# Allegro board PCIE_FIBER_BOARD-1116.brd (continued)
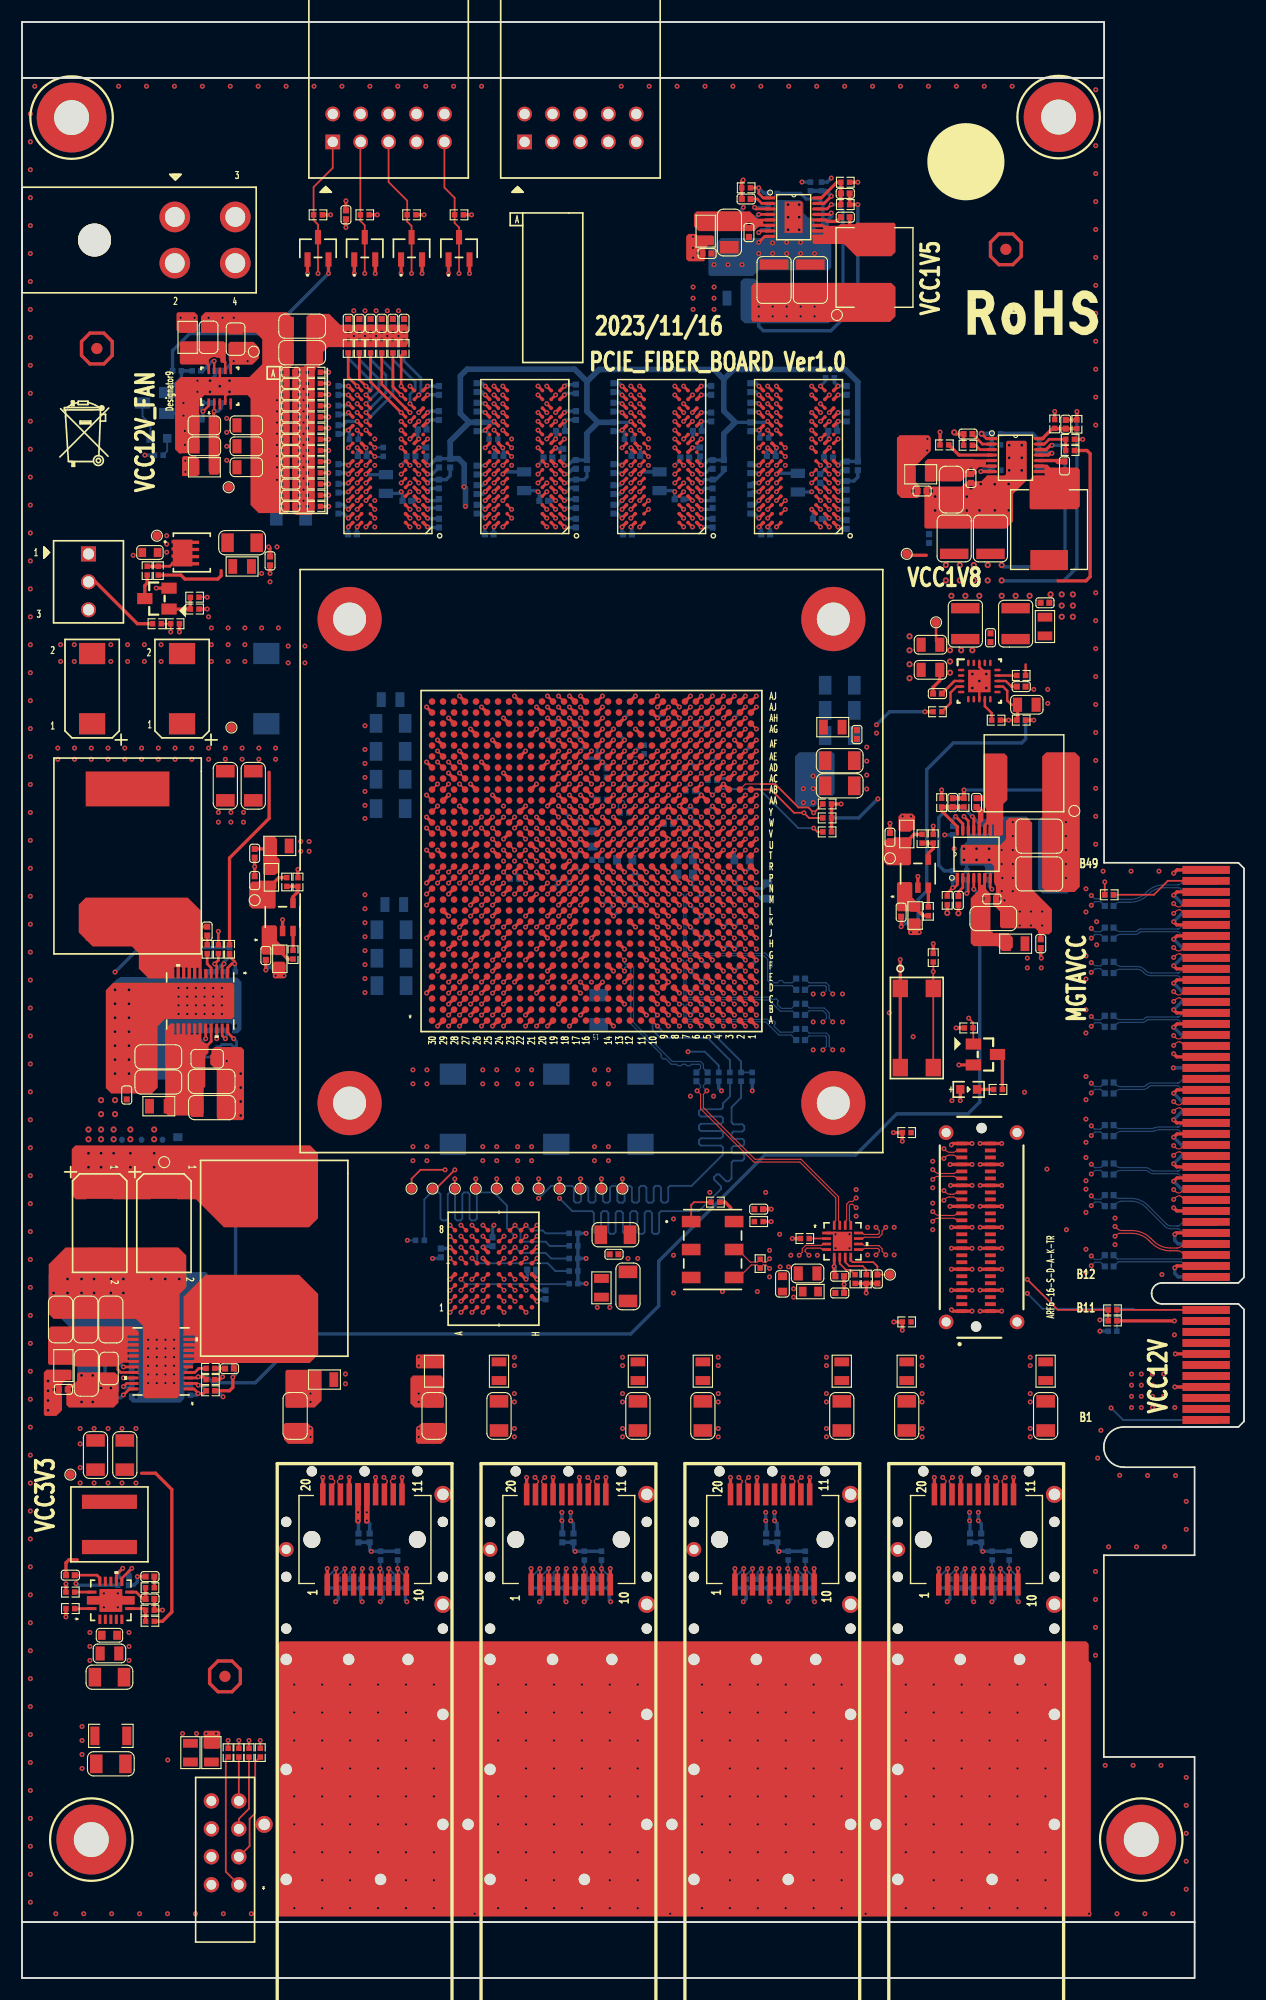
[diagram p0: board, top side]
## Routing (per net, layer and track width the routed paths; a pad name or vN(x,y) marks a point on that pad's centre or on a via; arc(x,y) is an arc through that point) (continued)
DDR3_A_DM5: length 36.3
  TOP w0.254: U247.AF18 v1(48.8,112.53) ; U77.D3 v1(35.29,135.1)
  ART03 w0.102: v1(35.29,135.1) 35.69,134.7 35.69,133.26 35.85,133.1 37.11,133.1 ; 51.68,117.03 51.68,113.85 50.97,113.13 49.4,113.13 v1(48.8,112.53)
  ART03 w0.183: 37.11,133.1 37.66,133.1 37.84,133.28 37.84,133.59 38.02,133.77 38.39,133.77 38.57,133.59 38.57,133.28 38.75,133.1 39.26,133.1 39.59,132.77 39.59,129.1 47.73,120.96 48.87,120.96 51.68,118.14 51.68,117.03
DDR3_A_DM6: length 47.8
  TOP w0.254: U247.AC19 v1(48.8,109.53) ; U78.E7 v1(43.73,135.1)
  ART10 w0.102: v1(48.8,109.53) 48.8,109.67 49.15,110.02 51.08,110.02 51.19,110.13 54.96,110.13 55.2,110.37 55.2,111.05 55.4,111.26 55.4,117.06
  ART10 w0.183: 55.4,117.06 55.4,122.82 55.05,123.18 54.79,123.18 54.62,123 54.36,123 54,123.36 54,123.61 54.18,123.79 54.18,124.05 53.92,124.31 53.66,124.31 53.28,123.93 53.02,123.93 52.76,124.18 52.76,124.44 53.14,124.82 53.14,125.08 52.88,125.34 52.63,125.34 52.25,124.96 51.99,124.96 51.73,125.22 51.73,125.48 52.11,125.86 52.11,126.12 51.85,126.38 51.59,126.38 51.21,126 50.95,126 50.69,126.25 50.69,126.51 51.07,126.89 51.07,127.15 50.81,127.41 50.56,127.41 50.18,127.03 49.92,127.03 49.66,127.29 49.66,127.55 50.04,127.93 50.04,128.19 49.78,128.44 49.52,128.44 49.14,128.06 48.88,128.06 48.62,128.32 48.62,128.58 49,128.96 49,129.22 48.74,129.48 48.49,129.48 48.11,129.1 47.85,129.1 45.85,131.09 45.85,131.6 45.64,131.81 45.19,131.81 44.98,132.02 44.98,132.33 45.16,132.52 45.52,132.52 45.7,132.7 45.7,133.06 45.52,133.25 45.16,133.25 44.98,133.43 44.98,133.91 43.78,135.1 v1(43.73,135.1)
DDR3_A_DM7: length 39.8
  TOP w0.254: U78.D3 v1(47.73,135.1) ; U247.Y15 v1(52.8,106.53)
  ART03 w0.102: v1(47.73,135.1) 47.73,134.5 48.34,133.9 49.74,133.9 ; v1(52.8,106.53) 53.37,107.1 56.98,107.1 57.23,107.35 57.23,107.61 57.61,107.99 57.87,107.99 58.37,108.5 58.37,117.03
  ART03 w0.183: 49.74,133.9 49.99,133.9 58.37,125.52 58.37,117.03
DDR3_A_DQS0_N: length 31.4
  TOP w0.188: U247.AJ7 v1(60.8,115.53) ; U75.G3 v1(59.38,136.7)
  ART10 w0.102: v1(60.8,115.53) 60.8,115.24 60.91,115.13 61.03,115.13 61.2,115.29 61.2,117.15 61.15,117.2
  ART10 w0.157: v1(59.38,136.7) 59.13,136.45 58.65,136.45 58.32,136.12 58.32,135.12 59.39,134.05 59.39,131.65 59.85,131.19 60.8,130.24 61.52,130.24 62.83,128.94 62.83,127.89 63.16,127.56 63.91,127.56 64.07,127.4 64.07,126.85 63.91,126.69 63.17,126.69 62.83,126.36 62.83,125.56 63.17,125.22 63.9,125.22 64.06,125.07 64.06,124.52 63.9,124.36 63.16,124.36 62.83,124.03 62.83,123.2 63.3,122.73 63.3,122.17 62.82,121.69 62.82,119.2 61.15,117.52 61.15,117.2
DDR3_A_DQS0_P: length 31.4
  TOP w0.188: U75.F3 v1(59.38,135.9) ; U247.AH7 v1(60.8,114.53)
  ART10 w0.102: v1(60.8,114.53) 60.8,114.83 60.9,114.93 61.12,114.93 61.4,115.21 61.4,117.15 61.45,117.2
  ART10 w0.157: v1(59.38,135.9) 59.13,136.15 58.77,136.15 58.62,135.99 58.62,135.24 59.68,134.17 59.68,131.78 60.09,131.37 60.34,131.37 60.61,131.09 60.61,130.85 60.92,130.54 61.65,130.54 63.13,129.06 63.13,128.01 63.29,127.86 64.03,127.86 64.37,127.52 64.37,126.73 64.03,126.4 63.29,126.4 63.13,126.24 63.13,125.68 63.29,125.52 64.03,125.52 64.36,125.19 64.36,124.39 64.03,124.06 63.28,124.06 63.13,123.9 63.13,123.33 63.6,122.85 63.6,122.05 63.12,121.57 63.12,119.07 61.45,117.4 61.45,117.2
DDR3_A_DQS1_N: length 28
  TOP w0.188: U75.B7 v1(56.98,133.5) ; U247.AH1 v1(66.8,113.53)
  ART03 w0.102: 64.45,117.03 64.45,117 64.4,116.96 64.4,114.36 64.63,114.13 66.13,114.13 66.4,113.86 66.4,113.63 66.5,113.53 v1(66.8,113.53)
  ART03 w0.157: 64.45,117.03 64.45,119.89 61.54,122.81 61.54,123.3 61.72,123.49 61.72,123.93 61.54,124.12 61.54,124.56 61.72,124.74 61.72,125.19 61.54,125.37 61.54,125.82 61.72,126 61.72,126.45 61.54,126.63 61.54,127.08 61.72,127.26 61.72,127.71 61.54,127.89 61.54,128.16 56.48,133.22 56.48,133.56 56.66,133.74 56.74,133.74 v1(56.98,133.5)
DDR3_A_DQS1_P: length 27.9
  TOP w0.188: U75.C7 v1(56.98,134.3) ; U247.AG2 v1(65.8,113.53)
  ART03 w0.102: 64.15,117.03 64.15,117 64.2,116.96 64.2,114.28 64.55,113.93 66.04,113.93 66.2,113.78 66.2,113.63 66.1,113.53 v1(65.8,113.53)
  ART03 w0.157: 64.15,117.03 64.15,119.77 61.24,122.68 61.24,128.04 56.18,133.1 56.18,133.69 56.53,134.04 56.86,134.04 56.98,134.16 v1(56.98,134.3)
DDR3_A_DQS2_N: length 45.9
  TOP w0.188: U247.AG3 v1(64.8,113.53) ; U76.G3 v1(71.83,136.7)
  ART10 w0.102: 67.3,111.18 67.27,111.18 67.23,111.13 64.63,111.13 64.4,111.36 64.4,113.36 64.58,113.53 v1(64.8,113.53)
  ART10 w0.157: 67.3,111.18 68.16,111.18 73.62,116.64 73.62,117.19 73.46,117.35 73.46,117.78 73.62,117.94 73.62,118.37 73.45,118.54 73.45,118.94 73.62,119.11 73.62,119.5 70.87,122.26 70.87,124.78 72.79,126.7 74.85,126.7 75.03,126.88 75.03,127.42 74.87,127.58 73.17,127.58 72.83,127.92 72.83,128.7 73.16,129.03 74.35,129.03 74.54,129.22 74.54,129.73 74.38,129.89 73.2,129.89 72.85,130.23 72.85,130.63 70.9,132.58 70.9,136.17 71.24,136.51 71.63,136.51 v1(71.83,136.7)
DDR3_A_DQS2_P: length 45.8
  TOP w0.188: U247.AG4 v1(63.8,113.53) ; U76.F3 v1(71.83,135.9)
  ART10 w0.102: v1(63.8,113.53) 64.2,113.13 64.2,111.28 64.55,110.93 67.23,110.93 67.27,110.88 67.3,110.88
  ART10 w0.157: 67.3,110.88 68.28,110.88 73.92,116.52 73.92,119.63 71.17,122.38 71.17,124.66 72.91,126.4 74.97,126.4 75.33,126.76 75.33,127.54 75,127.87 73.3,127.87 73.13,128.05 73.13,128.58 73.28,128.73 74.48,128.73 74.84,129.1 74.84,129.85 74.51,130.18 73.32,130.18 73.15,130.36 73.15,130.75 71.2,132.7 71.2,136.04 71.37,136.21 71.52,136.21 v1(71.83,135.9)
DDR3_A_DQS3_N: length 41.3
  TOP w0.188: U247.AD1 v1(66.8,110.53) ; U76.B7 v1(69.43,133.5)
  ART03 w0.102: v1(66.8,110.53) 66.48,110.53 66.37,110.63 66.37,110.78 66.53,110.93 67.23,110.93 67.27,110.88 67.3,110.88
  ART03 w0.157: 67.3,110.88 68.07,110.88 70.42,113.23 70.42,113.71 69.74,114.39 69.74,114.61 70.14,115.02 70.37,115.02 71.05,114.33 71.52,114.33 73.25,116.06 73.25,116.42 73.43,116.6 73.43,117.05 73.25,117.23 73.25,117.68 73.43,117.86 73.43,118.31 73.25,118.49 73.25,120.54 71.34,122.45 71.34,125.61 71.78,126.04 74.11,126.04 74.47,126.4 74.47,127.17 74.14,127.5 71.8,127.5 71.57,127.73 71.57,130.18 70.68,131.07 70.68,131.3 71.34,131.96 71.34,132.43 70.79,132.99 70.31,132.99 69.6,132.28 69.31,132.28 68.93,132.66 68.93,133.53 69.09,133.69 69.27,133.69 69.43,133.53 v1(69.43,133.5)
DDR3_A_DQS3_P: length 41.3
  TOP w0.188: U76.C7 v1(69.43,134.3) ; U247.AD2 v1(65.8,110.53)
  ART03 w0.102: 67.3,111.18 67.27,111.18 67.23,111.13 66.44,111.13 66.17,110.86 66.17,110.63 66.07,110.53 v1(65.8,110.53)
  ART03 w0.157: 67.3,111.18 67.95,111.18 70.13,113.36 70.13,113.59 69.44,114.27 69.44,114.74 70.02,115.32 70.49,115.32 71.18,114.63 71.4,114.63 72.95,116.18 72.95,120.42 71.04,122.33 71.04,125.73 71.65,126.34 73.99,126.34 74.17,126.52 74.17,127.05 74.02,127.2 71.68,127.2 71.27,127.61 71.27,130.06 70.38,130.95 70.38,131.42 71.04,132.08 71.04,132.31 70.66,132.69 70.43,132.69 69.72,131.98 69.19,131.98 68.63,132.54 68.63,133.66 68.96,133.99 69.11,133.99 v1(69.43,134.3)
DDR3_A_DQS4_N: length 40.7
  TOP w0.188: U77.G3 v1(34.49,136.7) ; U247.AJ16 v1(50.8,115.53)
  ART10 w0.102: 50.77,118.16 50.79,118.14 50.85,118.14 50.96,118.02 51.08,117.89 51.08,116.98 51.26,116.8 51.26,115.31 51.09,115.13 50.9,115.13 50.8,115.23 v1(50.8,115.53)
  ART10 w0.157: 50.77,118.16 50.66,118.28 44.19,124.75 38.94,124.75 38.57,125.11 38.57,126.28 38.42,126.44 37.9,126.44 37.74,126.28 37.74,125.3 37.39,124.94 36.63,124.94 36.28,125.29 36.28,126.28 36.12,126.44 35.46,126.44 34.7,127.2 34.7,131.46 34.38,131.78 34.09,131.78 33.73,132.13 33.73,132.89 34.11,133.27 34.39,133.27 34.55,133.43 34.55,133.98 34.39,134.14 33.53,134.14 33.2,134.47 33.2,135.99 33.66,136.45 34.24,136.45 v1(34.49,136.7)
DDR3_A_DQS4_P: length 40.7
  TOP w0.188: U247.AH16 v1(50.8,114.53) ; U77.F3 v1(34.49,135.9)
  ART10 w0.102: 50.99,118.36 51.01,118.34 51,118.27 51.11,118.16 51.29,117.98 51.29,117.06 51.47,116.89 51.47,115.22 51.17,114.93 50.9,114.93 50.8,114.83 v1(50.8,114.53)
  ART10 w0.157: v1(34.49,135.9) 34.24,136.15 33.78,136.15 33.49,135.87 33.49,134.59 33.65,134.43 34.52,134.43 34.85,134.1 34.85,133.31 34.52,132.98 34.24,132.98 34.03,132.77 34.03,132.25 34.21,132.07 34.5,132.07 34.99,131.58 34.99,127.33 35.58,126.74 36.24,126.74 36.57,126.41 36.57,125.42 36.75,125.24 37.27,125.24 37.45,125.42 37.45,126.41 37.78,126.74 38.54,126.74 38.87,126.41 38.87,125.24 39.07,125.04 39.43,125.04 39.59,125.2 40.06,125.2 40.22,125.04 40.69,125.04 40.85,125.2 41.32,125.2 41.48,125.04 44.32,125.04 50.88,118.48 50.99,118.36
DDR3_A_DQS5_N: length 36.4
  TOP w0.188: U247.AK18 v1(48.8,116.53) ; U77.B7 v1(32.09,132.7)
  ART03 w0.102: v1(48.8,116.53) 48.67,116.4 48.67,116.22 48.8,116.09 49.1,116.09 49.2,116.19 49.2,116.96 49.15,117 49.15,117.03
  ART03 w0.157: v1(32.09,132.7) 32.09,132.84 32.25,133 33.4,133 33.74,132.67 33.74,132.24 33.58,132.08 32.89,132.08 32.56,131.75 32.56,130.94 32.89,130.61 34.44,130.61 34.59,130.45 34.59,129.9 34.44,129.74 32.84,129.74 32.51,129.41 32.51,128.63 32.87,128.27 33.93,128.27 34.39,127.81 36.04,127.81 36.3,128.07 36.6,128.07 36.96,127.71 36.96,127.46 36.84,127.34 36.84,126.87 39.69,124.02 39.69,123.71 39.98,123.42 40.29,123.42 41.55,122.15 43.1,122.15 46.76,118.49 47.9,118.49 48.16,118.24 48.16,117.88 48.43,117.61 48.78,117.61 49.15,117.25 49.15,117.03
DDR3_A_DQS5_P: length 36.4
  TOP w0.188: U77.C7 v1(32.09,133.5) ; U247.AJ18 v1(48.8,115.53)
  ART03 w0.102: v1(48.8,115.53) 48.8,115.66 49.03,115.89 49.18,115.89 49.4,116.11 49.4,116.96 49.45,117 49.45,117.03
  ART03 w0.157: 49.45,117.03 49.45,117.37 48.03,118.79 46.88,118.79 43.23,122.45 41.68,122.45 37.13,126.99 37.13,127.21 37.25,127.33 37.25,127.83 36.72,128.36 36.17,128.36 35.92,128.11 34.51,128.11 34.06,128.57 32.99,128.57 32.8,128.76 32.8,129.28 32.96,129.44 34.56,129.44 34.89,129.77 34.89,130.57 34.56,130.9 33.02,130.9 32.86,131.06 32.86,131.63 33.02,131.78 33.7,131.78 34.04,132.11 34.04,132.79 33.53,133.3 32.29,133.3 v1(32.09,133.5)
DDR3_A_DQS6_N: length 47.7
  TOP w0.188: U247.Y18 v1(48.8,106.53) ; U78.G3 v1(46.93,136.7)
  ART10 w0.102: v1(48.8,106.53) 48.8,106.26 48.92,106.13 49.09,106.13 49.2,106.24 49.2,106.76 49.03,106.93 48.42,106.93 48.2,107.15 48.2,108.82 48.51,109.13 56,109.13 56.2,109.33 56.2,110.85 56.6,111.25 56.6,116.93 56.41,117.11 56.41,117.35 56.36,117.39 56.36,117.42
  ART10 w0.157: v1(46.93,136.7) 46.68,136.45 46.01,136.45 45.46,135.9 45.46,135.15 46.31,134.3 46.65,134.3 47.01,133.95 47.01,131.59 47.51,131.09 48.79,131.09 56.36,123.52 56.36,117.42
DDR3_A_DQS6_P: length 47.7
  TOP w0.188: U247.Y19 v1(48.8,105.53) ; U78.F3 v1(46.93,135.9)
  ART10 w0.102: v1(48.8,105.53) 48.8,105.83 48.9,105.93 49.18,105.93 49.4,106.15 49.4,106.85 49.11,107.13 48.5,107.13 48.4,107.23 48.4,108.73 48.59,108.93 56.09,108.93 56.4,109.24 56.4,110.77 56.8,111.16 56.8,117.01 56.61,117.2 56.61,117.35 56.66,117.39 56.66,117.42
  ART10 w0.157: v1(46.93,135.9) 46.68,136.15 46.13,136.15 45.76,135.77 45.76,135.28 46.43,134.6 46.78,134.6 47.3,134.07 47.3,131.72 47.63,131.39 48.91,131.39 49.15,131.15 49.39,131.15 49.72,130.83 49.72,130.59 56.66,123.64 56.66,117.42
DDR3_A_DQS7_N: length 39.8
  TOP w0.188: v1(51.8,109.53) U247.AC15 ; U78.B7 v1(44.53,132.7)
  ART03 w0.102: 55.15,117.03 55.15,117 55.2,116.96 55.2,110.35 54.98,110.13 53.22,110.13 52.22,109.13 51.9,109.13 51.74,109.29 51.74,109.48 v1(51.8,109.53)
  ART03 w0.157: 55.15,117.03 55.15,118.23 54.99,118.39 54.99,118.86 55.15,119.02 55.15,119.49 54.99,119.65 54.99,120.12 55.15,120.28 55.15,120.64 54.66,121.13 54.42,121.13 54.16,121.39 53.9,121.39 53.58,121.7 53.58,121.97 53.27,122.28 53.01,122.28 52.69,122.59 52.69,122.86 51.99,123.57 51.99,124.03 52.44,124.49 52.44,124.71 52.05,125.1 51.83,125.1 51.38,124.65 50.88,124.65 50.32,125.2 50.32,125.67 50.64,125.99 50.64,126.21 50.25,126.6 50.03,126.6 49.72,126.29 49.25,126.29 48.67,126.88 48.67,127.34 48.95,127.63 48.95,127.85 48.58,128.23 48.36,128.23 48.05,127.92 47.55,127.92 46.97,128.5 46.97,128.97 47.65,129.64 47.65,129.86 47.41,130.1 46.26,130.1 45.93,130.43 45.93,131.52 45.77,131.68 45.77,132.15 45.93,132.31 45.93,132.69 45.62,133 44.69,133 44.53,132.84 v1(44.53,132.7)
DDR3_A_DQS7_P: length 39.8
  TOP w0.188: U78.C7 v1(44.53,133.5) ; v1(51.8,108.53) U247.AC16
  ART03 w0.102: v1(51.8,108.53) 51.8,108.83 51.9,108.93 52.31,108.93 53.31,109.93 55.06,109.93 55.4,110.27 55.4,116.96 55.45,117 55.45,117.03
  ART03 w0.157: 55.45,117.03 55.45,120.77 54.78,121.43 54.54,121.43 52.28,123.69 52.28,123.91 52.74,124.37 52.74,124.83 52.18,125.39 51.71,125.39 51.26,124.94 51,124.94 50.62,125.33 50.62,125.55 50.93,125.86 50.93,126.33 50.37,126.89 49.91,126.89 49.6,126.59 49.38,126.59 48.96,127 48.96,127.22 49.25,127.51 49.25,127.98 48.7,128.52 48.23,128.52 47.93,128.22 47.67,128.22 47.27,128.62 47.27,128.84 47.94,129.52 47.94,129.98 47.53,130.4 46.39,130.4 46.23,130.56 46.23,132.82 45.75,133.3 44.74,133.3 v1(44.53,133.5)
DDR3_A_ODT: length 124.3
  TOP w0.254: U75.K1 v1(61.78,139.9) ; R484.2 v1(27.89,133.77) ; U247.AK10 v1(57.8,116.53) ; U76.K1 v1(74.23,139.9) ; U77.K1 v1(36.89,139.9) ; U78.K1 v1(49.34,139.9)
  ART03 w0.102: v1(36.89,139.9) 37.29,139.5 U78.K1 v1(49.34,139.9) 49.73,139.5 U75.K1 v1(61.78,139.9) 62.18,139.5 U76.K1 v1(74.23,139.9)
  ART05 w0.183: v1(74.23,139.9) 74.23,139.61 75.37,138.46 75.37,131.69 73.74,130.06 70.53,130.06 69.99,129.52 57.43,129.52 57.25,129.34 57.25,128.97 57.43,128.79 61.67,128.79 61.85,128.6 61.85,128.24 61.67,128.05 57.43,128.05 57.25,127.87 57.25,127.51 57.43,127.32 60.46,127.32 60.65,127.14 60.65,126.77 60.46,126.59 57.43,126.59 57.25,126.41 57.25,126.04 57.43,125.86 58.62,125.86 58.8,125.68 58.8,125.31 58.62,125.13 56.7,125.13 56.49,124.92 56.49,123.88 56.31,123.69 55.99,123.69 55.81,123.51 55.81,123.15 55.99,122.96 56.31,122.96 56.49,122.78 56.49,122.41 56.31,122.23 54.6,122.23 54.42,122.05 54.42,121.68 54.6,121.5 56.31,121.5 56.49,121.32 56.49,120.95 56.31,120.77 54.6,120.77 54.42,120.59 54.42,120.22 54.6,120.04 56.31,120.04 56.49,119.85 56.49,117.83 v1(57.8,116.53)
  ART10 w0.102: v1(36.89,139.9) U77.K1 29.16,139.5
  ART10 w0.183: v1(27.89,133.77) 28.53,134.4 28.53,138.86 29.16,139.5
DDR3_A_RAS_B: length 119.3
  TOP w0.254: U77.J3 v1(34.49,139.1) ; U75.J3 v1(59.38,139.1) ; U78.J3 v1(46.93,139.1) ; R482.2 v1(27.89,134.79) ; U76.J3 v1(71.83,139.1) ; U247.AK9 v1(57.8,115.53)
  ART05 w0.102: v1(71.83,139.1) 71.43,139.5 59.78,139.5 v1(59.38,139.1) 58.98,139.5 47.33,139.5 v1(46.93,139.1) 46.53,139.5 34.89,139.5 v1(34.49,139.1) ; v1(57.8,115.53) 57.41,115.53 56.9,116.04 56.85,116.04 55.86,117.03
  ART05 w0.183: v1(71.83,139.1) 71.84,139.09 71.84,138.47 71.25,137.88 71.25,132.16 69.58,130.49 56.44,130.49 56.22,130.27 55.67,130.27 55.49,130.09 55.49,129.39 55.3,129.2 54.94,129.2 54.75,129.39 54.75,130.09 54.57,130.27 51.43,130.27 51.25,130.09 51.25,129.72 51.43,129.54 53.32,129.54 53.51,129.36 53.51,128.99 53.32,128.81 51.09,128.81 50.91,128.63 50.91,128.26 51.09,128.08 53.06,128.08 53.24,127.89 53.24,127.53 53.06,127.35 51.09,127.35 50.91,127.16 50.91,126.8 51.09,126.61 53.06,126.61 53.24,126.43 53.24,126.07 53.06,125.88 51.09,125.88 50.91,125.7 50.91,125.33 51.09,125.15 53.06,125.15 53.24,124.97 53.24,124.6 53.06,124.42 51.09,124.42 50.91,124.24 50.91,123.87 51.09,123.69 53.06,123.69 53.24,123.51 53.24,123.14 53.06,122.96 52.11,122.96 51.92,122.77 51.92,122.41 52.11,122.23 53.06,122.23 53.24,122.04 53.24,119.65 55.86,117.03
  ART08 w0.102: v1(34.49,139.1) 33.45,139.1 32.25,137.9 31.46,137.9 31.46,137.9 29.36,137.9 28.66,137.2 28.66,135.55 v1(27.89,134.79)
DDR3_A_RESET_B: length 109.8
  TOP w0.254: U76.T2 v1(72.63,144.7) ; U77.T2 v1(35.29,144.7) ; U78.T2 v1(47.73,144.7) ; U247.AE13 v1(54.8,111.53) ; U75.T2 v1(60.18,144.7)
  ART03 w0.102: v1(72.63,144.7) 72.23,144.3 U75.T2 v1(60.18,144.7) 59.78,144.3 U78.T2 v1(47.73,144.7) 47.33,144.3 U77.T2 v1(35.29,144.7)
  ART05 w0.102: v1(54.8,111.53) 55.4,110.93 55.4,107.2 55.68,106.93 63.22,106.93 63.4,107.1 63.4,107.81 63.52,107.93 67.13,107.93 67.27,107.79 67.3,107.79
  ART05 w0.183: v1(72.63,144.7) 73.56,145.64 75.96,145.64 80.74,140.86 80.74,128.32 77.69,125.27 77.69,118.83 75.93,117.07 75.93,114.83 68.89,107.79 67.3,107.79
  BOTTOM w0.254: v1(72.63,144.7) 73.09,145.16 R8.1
DDR3_A_S0_B: length 122.8
  TOP w0.254: U76.L2 v1(72.63,139.9) ; U77.L2 v1(35.29,139.9) ; U78.L2 v1(47.73,139.9) ; U75.L2 v1(60.18,139.9) ; R479.2 v1(27.89,135.8) ; U247.AH9 v1(58.8,114.53)
  ART03 w0.102: v1(72.63,139.9) 72.23,140.3 60.58,140.3 v1(60.18,139.9) 59.78,140.3 48.13,140.3 v1(47.73,139.9) 47.34,140.3 35.69,140.3 v1(35.29,139.9)
  ART05 w0.102: 58.4,116.37 58.4,114.93 v1(58.8,114.53) ; v1(72.63,139.9) 73.05,140.32 74.38,140.32 74.72,139.98
  ART05 w0.183: 58.4,116.37 58.4,116.62 56.98,118.04 56.98,119.8 57.16,119.98 60.49,119.98 60.67,120.17 60.67,120.53 60.49,120.71 57.16,120.71 56.98,120.9 56.98,121.26 57.16,121.45 60.49,121.45 60.67,121.63 60.67,121.99 60.49,122.18 57.16,122.18 56.98,122.36 56.98,122.73 57.16,122.91 60.49,122.91 60.67,123.09 60.67,123.46 60.49,123.64 57.16,123.64 56.98,123.82 56.98,124.19 57.16,124.37 60.89,124.37 61.07,124.55 61.07,124.92 60.89,125.1 59.78,125.1 59.59,125.29 59.59,125.65 59.78,125.83 60.4,125.83 63,128.44 65.66,128.44 66.25,129.03 70.19,129.03 70.73,129.57 73.96,129.57 75.86,131.47 75.86,138.84 74.72,139.98
  ART10 w0.102: v1(35.29,139.9) 34.89,140.3 27.57,140.3
  ART10 w0.183: v1(27.89,135.8) 27.13,136.56 27.13,139.86 27.57,140.3
DDR3_A_WE_B: length 117.4
  TOP w0.254: U77.L3 v1(34.49,140.7) ; U247.AJ9 v1(58.8,115.53) ; R480.2 v1(27.89,138.85) ; U76.L3 v1(71.83,140.7) ; U78.L3 v1(46.93,140.7) ; U75.L3 v1(59.38,140.7)
  ART05 w0.102: 75.05,140.34 74.91,140.48 74.58,140.48 74.47,140.59 71.93,140.59 v1(71.83,140.7) 71.43,141.1 59.78,141.1 v1(59.38,140.7) 58.98,141.1 47.33,141.1 v1(46.93,140.7) 46.53,141.1 37.51,141.1 37.11,140.7 v1(34.49,140.7)
  ART05 w0.183: v1(58.8,115.53) 58.8,117.38 59.06,117.64 60.97,117.64 61.16,117.82 61.16,118.21 60.97,118.39 57.65,118.39 57.47,118.58 57.47,118.94 57.65,119.12 60.97,119.12 61.16,119.31 61.16,121.92 61.34,122.1 62.73,122.1 62.92,122.28 62.92,122.65 62.73,122.83 61.74,122.83 61.56,123.02 61.56,123.38 61.74,123.56 63.61,123.56 63.8,123.75 63.8,124.11 63.61,124.3 61.74,124.3 61.56,124.48 61.56,124.84 61.74,125.03 65.04,125.03 65.23,125.21 65.23,125.58 65.04,125.76 61.74,125.76 61.56,125.94 61.56,126.31 61.74,126.49 65.14,126.49 65.32,126.67 65.32,127.04 65.14,127.22 63.38,127.22 63.2,127.4 63.2,127.77 63.38,127.95 65.86,127.95 66.45,128.54 70.39,128.54 70.93,129.08 74.16,129.08 76.35,131.27 76.35,139.04 75.05,140.34
  ART08 w0.102: v1(27.89,138.85) 29.34,140.3 34.09,140.3 v1(34.49,140.7)
DDR_POWER_GOOD: length 3.5
  BOTTOM w0.305: R459.2 R220.2 14.5,145.45 Q10.1
FAN_FG: length 64.8
  TOP w0.165: U247.D16 v1(50.8,90.53) ; R1211.2 R1210.2 v1(13.52,122.36)
  ART10 w0.117: v1(13.52,122.36) 22.92,112.96 41.47,112.96 47.18,107.25 47.18,106.49 48.64,105.03 49.15,105.03 49.28,104.9 49.28,104.27 49.53,104.01 50.04,104.01 50.29,103.76 50.29,97.41 49.91,97.03 47.62,97.03 47.37,96.77 47.37,94.36 50.8,90.93 v1(50.8,90.53)
FPGA_3V3_GPIO0: length 108.5
  TOP w0.165: U247.Y30 v1(37.8,106.53)
  ART08 w0.117: J2.1 43,164.19 13.83,164.19 10.92,161.27 10.92,149.68 13.84,146.76 13.84,137.56 14.4,137 14.4,123.39 14.99,122.81 14.99,121.16 27.47,108.67 33.91,108.67 35.49,107.09 37.23,107.09 v1(37.8,106.53)
FPGA_3V3_GPIO1: length 108
  TOP w0.165: U247.AA30 v1(36.8,107.53)
  ART08 w0.117: J2.3 44.65,163.29 13.51,163.29 11.48,161.26 11.48,150.34 15.24,146.58 15.24,140.22 16.02,139.45 16.02,121.52 27.99,109.55 31.68,109.55 32.01,109.22 35.11,109.22 v1(36.8,107.53)
FPGA_3V3_GPIO2: length 90.9
  TOP w0.165: U247.AD29 v1(37.8,110.53)
  ART08 w0.117: J2.5 50.79,164.24 46.37,159.82 27.61,159.82 21.08,153.29 21.08,130.51 20.5,129.93 20.5,125.04 22.35,123.18 22.35,120.65 30.58,112.42 35.59,112.42 37.48,110.53 v1(37.8,110.53)
FPGA_3V3_GPIO3: length 86.9
  TOP w0.165: U247.AE29 v1(37.8,111.53)
  ART08 w0.117: J2.7 53.33,163.32 47.41,157.39 26.84,157.39 23.75,154.3 23.75,131.92 24.73,130.94 24.73,123.46 34.57,113.61 35.72,113.61 v1(37.8,111.53)
FPGA_3V3_GPIO4: length 104
  TOP w0.165: U247.AB29 v1(38.8,108.53)
  ART08 w0.117: J2.9 55.87,167.76 54.66,168.96 54.66,170 54.01,170.65 50.5,170.65 49.66,169.81 49.66,166.49 43.88,160.71 27.87,160.71 20.07,152.91 20.07,124.08 21.08,123.06 21.08,120.4 30.58,110.9 32.2,110.9 33.06,110.03 37.3,110.03 v1(38.8,108.53)
FPGA_3V3_GPIO5: length 104.5
  TOP w0.165: U247.AB30 v1(37.8,108.53)
  ART08 w0.117: J2.10 54.36,170.95 50.36,170.95 49.36,169.96 49.36,166.62 44.79,162.05 28.32,162.05 18.8,152.53 18.8,148.72 19.68,147.83 19.68,118.75 28.5,109.93 31.94,109.93 32.21,109.66 36.67,109.66 v1(37.8,108.53)
FPGA_3V3_GPIO6: length 93.2
  TOP w0.165: U247.AD27 v1(39.8,110.53)
  ART08 w0.117: J2.8 54.36,168.41 54.36,161.99 48.33,155.96 26.16,155.96 24.38,154.18 24.38,132.07 25.37,131.09 25.37,123.32 34.75,113.93 37.17,113.93 38.62,112.47 38.62,111.71 v1(39.8,110.53)
FPGA_3V3_GPIO7: length 91.6
  TOP w0.165: U247.AD28 v1(38.8,110.53)
  ART08 w0.117: J2.6 52.13,168.1 52.13,164.27 46.33,158.47 27.03,158.47 22.48,153.92 22.48,132.3 24.17,130.6 24.17,123.38 34.37,113.18 35.38,113.18 37.53,111.02 38.31,111.02 v1(38.8,110.53)
FPGA_3V3_GPIO8: length 121.3
  TOP w0.165: U247.AB27 v1(39.8,108.53)
  ART08 w0.117: J2.4 46.99,170.71 45.17,170.71 39.84,165.38 36.97,165.38 36.96,165.4 13.92,165.4 10,161.48 10,148.17 11.68,146.49 11.68,137.79 11.39,137.49 11.39,127.69 11.68,127.4 11.68,121.41 20.7,112.39 20.7,111.89 21.34,111.25 21.84,111.25 25.81,107.28 32.35,107.28 33.22,106.41 36.9,106.41 37.69,105.62 38.27,105.62 39.8,107.14 v1(39.8,108.53)
FPGA_3V3_GPIO9: length 116.6
  TOP w0.165: U247.AC27 v1(39.8,109.53)
  ART08 w0.117: v1(39.8,109.53) 39.3,109.03 39.3,107.05 38.24,105.99 37.66,105.99 36.86,106.79 35.25,106.79 33.72,108.32 26.43,108.32 23.5,111.25 22.86,111.25 22.48,111.63 22.48,112.27 12.83,121.92 12.83,126.9 11.86,127.87 11.86,137.34 12.19,137.68 12.19,147.12 10.56,148.75 10.56,161.61 13.67,164.72 40.99,164.72 J2.2
FPGA_CCLK: length 11.6
  TOP w0.165: U247.B10 v1(57.8,87.53)
  BOTTOM w0.165: R1150.1 64.39,83.44 62.37,85.46 58.04,85.46 57.36,86.14 57.36,87.09 v1(57.8,87.53)
FPGA_DONE_R: length 36.9
  TOP w0.165: Q15.1 86.53,86.34 R395.2 86.51,86.85 v1(86.11,87.25) ; U247.M10 v1(57.8,97.53)
  ART03 w0.117: v1(57.8,97.53) 58.25,97.07 75.24,97.07 79.11,93.2 82.09,93.2 86.11,89.19 v1(86.11,87.25)
FPGA_INIT_B_R: length 11.7
  TOP w0.165: U247.A10 v1(57.8,86.53)
  BOTTOM w0.165: R4.2 R1151.1 65.41,83.31 62.72,85.99 58.34,85.99 v1(57.8,86.53)
FPGA_M0: length 13.5
  TOP w0.165: R337.2 72.35,104.18 v1(72.01,104.52) ; U247.AB5 v1(62.8,107.53)
  BOTTOM w0.165: R337.2 72.35,104.18 v1(72.01,104.52) 70.6,104.52 67.05,108.08 63.35,108.08 v1(62.8,107.53)
FPGA_M1: length 10.3
  TOP w0.102: 67.18,108.53 65.8,108.53 U247.AB2
  TOP w0.165: 67.18,108.53 68.5,108.53 70.63,106.4 71.53,106.4 v1(72.01,105.92) 72.03,105.92 R338.2
  BOTTOM w0.165: v1(72.01,105.92) 72.03,105.92 R338.2
FPGA_M2: length 9.5
  TOP w0.165: U247.AB1 68.11,108.03 70.22,105.92 v1(71.12,105.92) 71.59,105.45 R339.2
  BOTTOM w0.165: R339.2 71.59,105.45 v1(71.12,105.92)
FPGA_PCIE_REFCLK_N: length 19.1
  TOP w0.104: U247.N7 v1(60.8,98.53)
  BOTTOM w0.102: v1(60.8,98.53) 60.5,98.53 60.4,98.43 60.4,93.3 60.57,93.13 67.25,93.13 67.27,93.16 67.3,93.16
  BOTTOM w0.104: C991.2 70.04,90.46 69.32,90.46 69.12,90.67 68.91,90.67 68.7,90.46 68.39,90.46 68.07,90.78 68.07,91.78 68.23,91.94 68.23,92.2 68.07,92.36 68.07,92.7 67.62,93.16 67.3,93.16
FPGA_PCIE_REFCLK_P: length 19.1
  TOP w0.104: U247.N8 v1(59.8,98.53)
  BOTTOM w0.102: 67.3,92.9 67.27,92.9 67.25,92.93 60.49,92.93 60.2,93.22 60.2,98.43 60.1,98.53 v1(59.8,98.53)
  BOTTOM w0.104: 67.3,92.9 67.51,92.9 67.82,92.6 67.82,90.68 68.29,90.21 70.04,90.21 C992.2
FPGA_PROG_B_R: length 17.3
  TOP w0.165: U247.K10 v1(57.8,95.53)
  ART10 w0.117: v1(60.58,84.2) 60.2,84.2 58.29,86.11 58.29,94.74 57.8,95.24 v1(57.8,95.53)
  BOTTOM w0.165: v1(60.58,84.2) 62.1,84.2 63.37,82.93 R42.2
FPGA_REFCLK_100M_N: length 21.1
  TOP w0.104: U251.16 73.88,68.75 74.02,68.89 74.02,70.91 70.76,74.17 66.57,74.17 61.72,79.02 61.72,80.33 v1(61.4,80.64)
  BOTTOM w0.104: C2440.2 61.72,81.13 61.72,80.96 v1(61.4,80.64)
FPGA_REFCLK_100M_P: length 21.1
  TOP w0.104: U251.15 74.38,68.75 74.27,68.86 74.27,71.02 70.87,74.42 66.67,74.42 61.98,79.12 61.98,80.33 v1(62.29,80.64)
  BOTTOM w0.104: v1(62.29,80.64) 61.98,80.96 61.98,81.13 C2439.2
FPGA_RESET: length 57
  TOP w0.165: R41.1 v1(82.88,91.48) SW8.3 SW8.4 ; U247.J27 v1(39.8,94.53)
  ART03 w0.117: v1(39.8,94.53) 40.09,94.53 40.64,93.98 45.35,93.98 46.25,94.89 46.25,95.58 46.69,96.01 74.8,96.01 79.63,91.19 82.59,91.19 v1(82.88,91.48)
FPGA_SFP0_IIC_SCL: length 86.9
  TOP w0.157: P1.5 v1(86.59,37.21)
  TOP w0.165: U247.D26 v1(40.8,89.53)
  ART03 w0.117: v1(86.59,37.21) 77.98,45.82 77.98,54.86 74,58.84 60.1,58.84 57.5,61.45 57.5,79.13 52.37,84.25 51.33,84.25 48.73,86.86 48.73,87.9 47.5,89.12 41.2,89.12 v1(40.8,89.53)
  BOTTOM w0.165: v1(86.59,37.21) 86.44,37.06 R1159.2
FPGA_SFP0_IIC_SDA: length 86.8
  TOP w0.157: P1.4 v1(85.79,37.21)